# Altium PCB as_x31.PcbDoc (part 1 of 8) (continued)
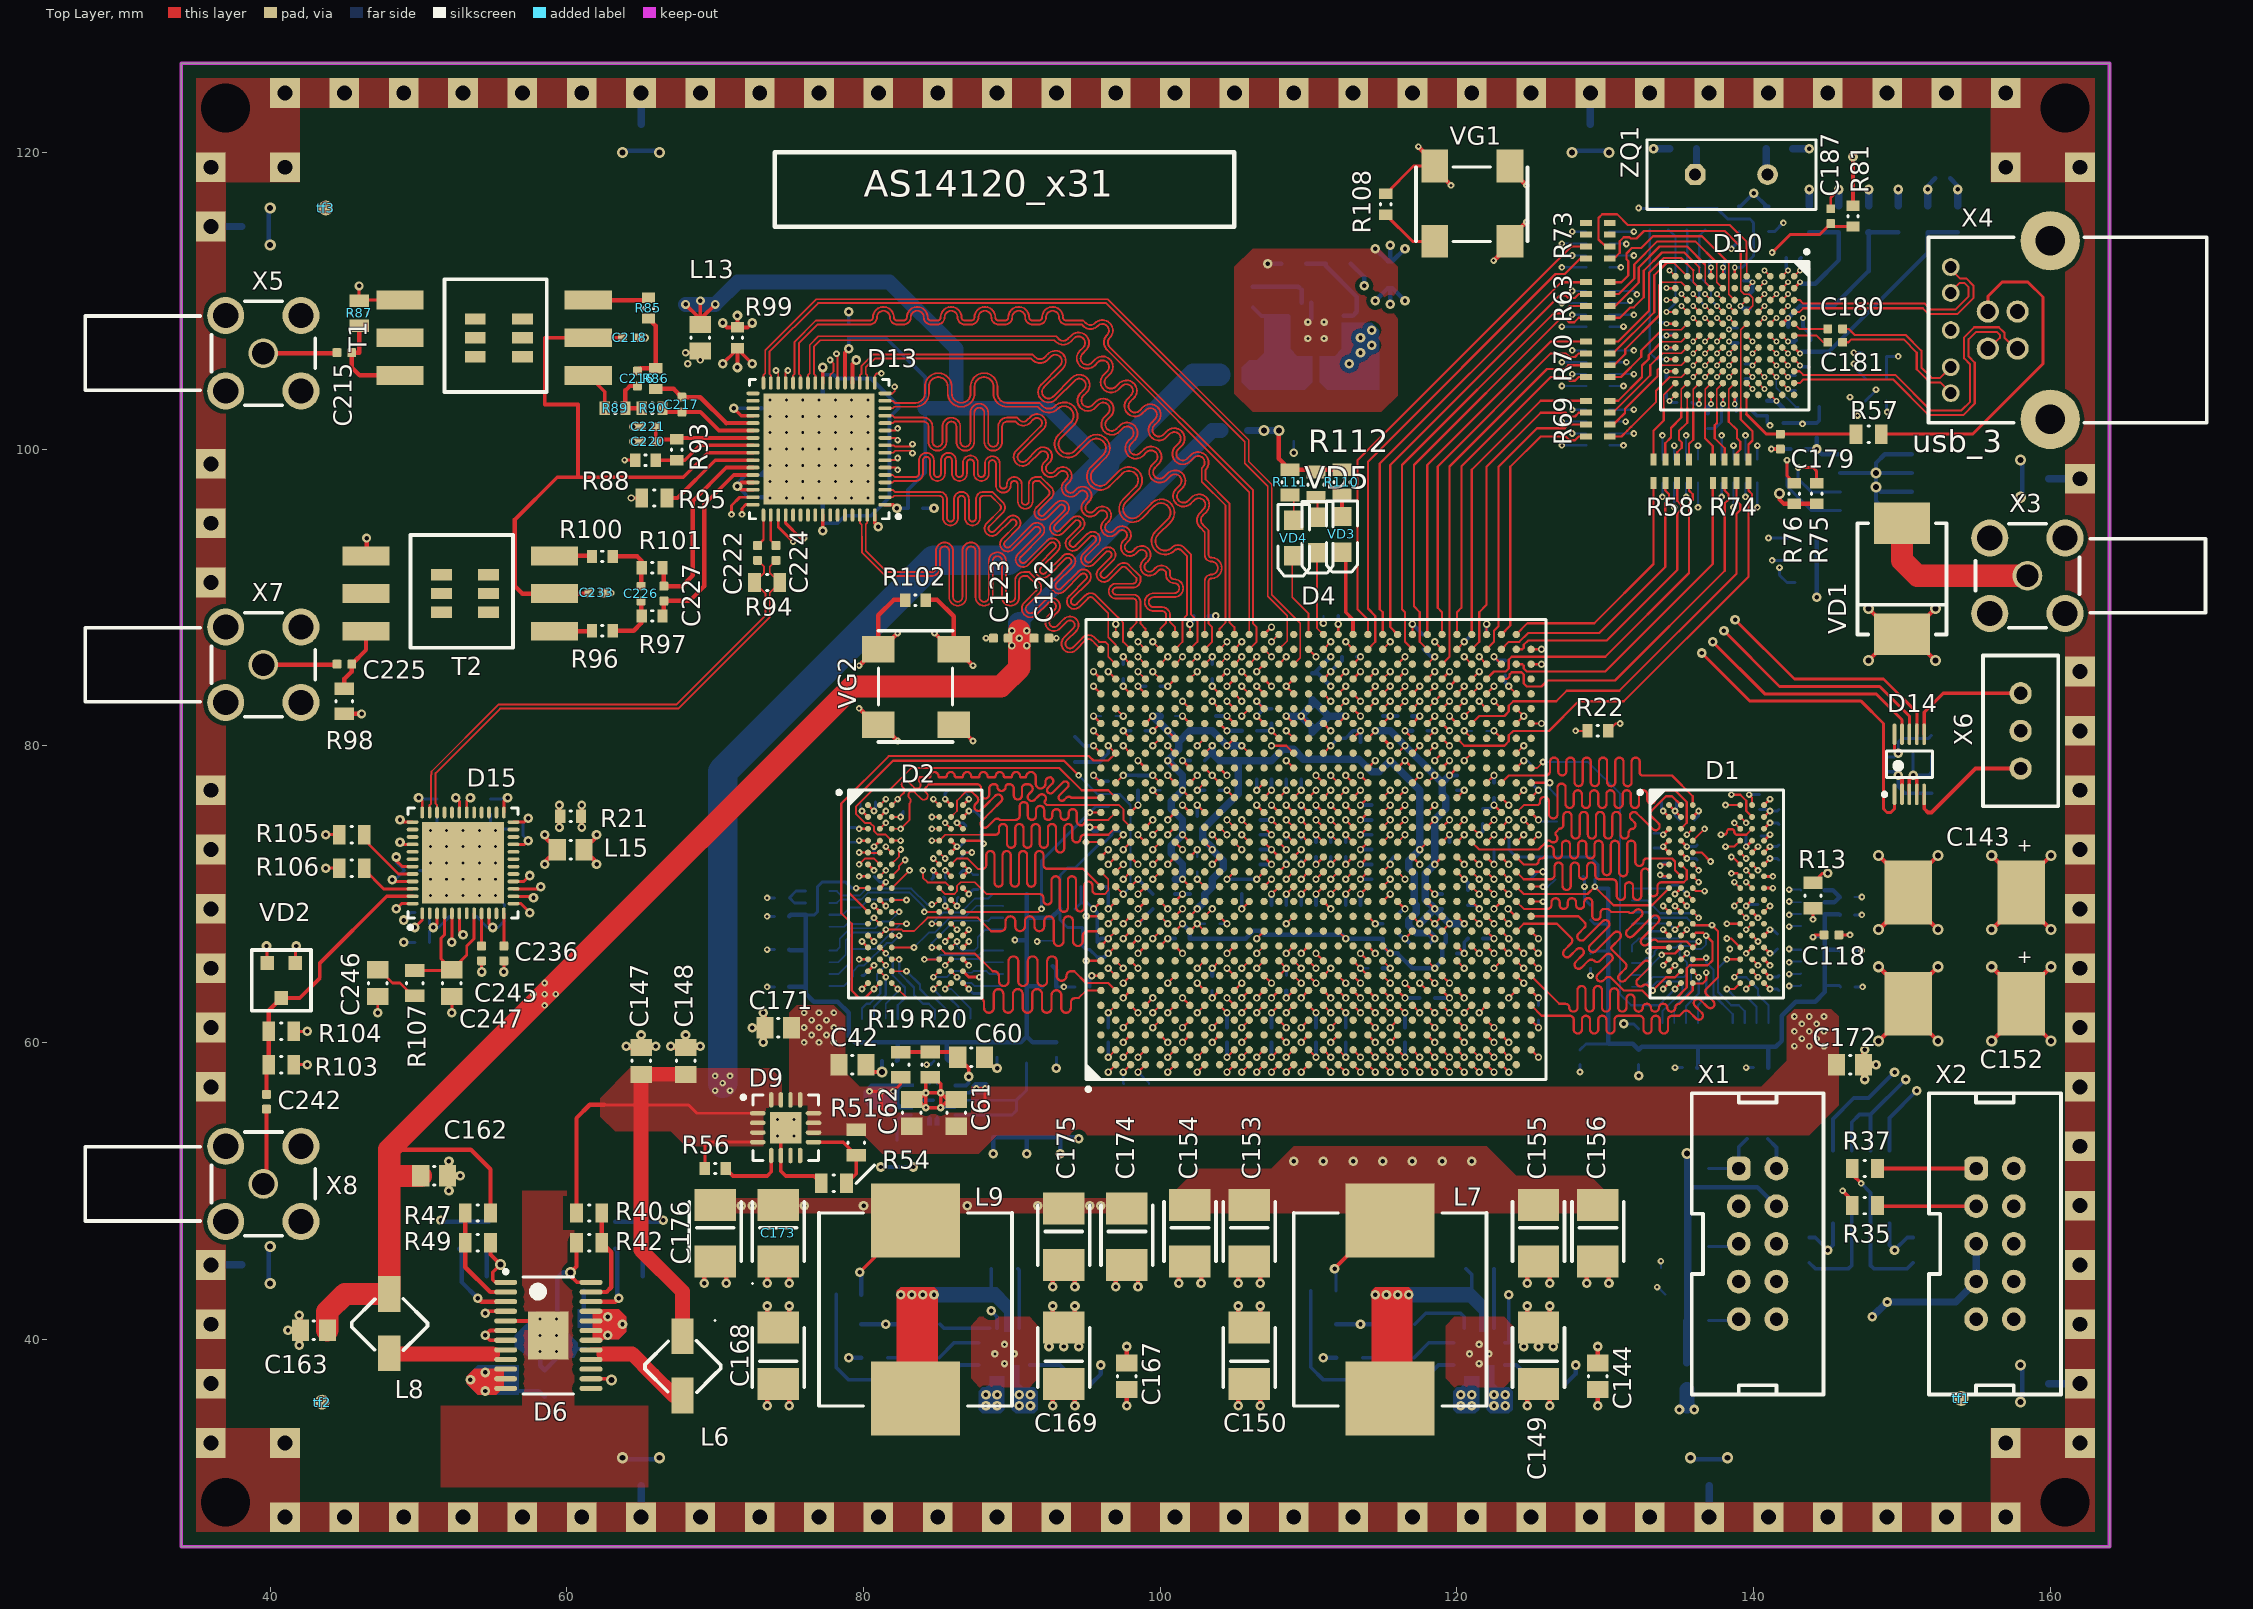
[diagram p0: Top Layer view]
## Classes and differential pairs (continued)
pad class bga_08mm: D1-A1 D1-A2 D1-A3 D1-A7 D1-A8 D1-A9 D1-B1 D1-B2 D1-B3 D1-B7 D1-B8 D1-B9 D1-C1 D1-C2 D1-C3 D1-C7 D1-C8 D1-C9 D1-D1 D1-D2 D1-D3 D1-D7 D1-D8 D1-D9 D1-E1 D1-E2 D1-E3 D1-E7 D1-E8 D1-E9 D1-F1 D1-F2 D1-F3 D1-F7 D1-F8 D1-F9 D1-G1 D1-G2 D1-G3 D1-G7 D1-G8 D1-G9 D1-H1 D1-H2 D1-H3 D1-H7 D1-H8 D1-H9 D1-J1 D1-J2 D1-J3 D1-J7 D1-J8 D1-J9 D1-K1 D1-K2 D1-K3 D1-K7 D1-K8 D1-K9 D1-L1 D1-L2 D1-L3 D1-L7 D1-L8 D1-L9 D1-M1 D1-M2 D1-M3 D1-M7 D1-M8 D1-M9 D1-N1 D1-N2 D1-N3 D1-N7 D1-N8 D1-N9 D1-P1 D1-P2 D1-P3 D1-P7 D1-P8 D1-P9 D1-R1 D1-R2 D1-R3 D1-R7 D1-R8 D1-R9 D1-T1 D1-T2 D1-T3 D1-T7 D1-T8 D1-T9 D10-A1 D10-A2 D10-A3 D10-A4 D10-A5 D10-A6 D10-A7 D10-A8 D10-A9 D10-A10 D10-A11 D10-B1 D10-B2 D10-B3 D10-B4 D10-B5 D10-B6 D10-B7 D10-B8 D10-B9 D10-B10 D10-B11 D10-C1 D10-C2 D10-C3 D10-C4 D10-C5 D10-C6 D10-C7 D10-C8 D10-C9 D10-C10 D10-C11 D10-D1 D10-D2 D10-D3 D10-D4 D10-D5 D10-D6 D10-D7 D10-D8 D10-D9 D10-D10 D10-D11 D10-E1 D10-E2 D10-E3 D10-E4 D10-E5 D10-E6 D10-E7 D10-E8 D10-E9 D10-E10 D10-E11 D10-F1 D10-F2 D10-F3 D10-F4 D10-F5 D10-F6 D10-F7 D10-F8 D10-F9 D10-F10 D10-F11 D10-G1 D10-G2 D10-G3 D10-G4 D10-G5 D10-G6 D10-G7 D10-G8 D10-G9 D10-G10 D10-G11 D10-H1 D10-H2 D10-H3 D10-H4 D10-H5 D10-H6 D10-H7 D10-H8 D10-H9 D10-H10 D10-H11 D10-J1 D10-J2 D10-J3 D10-J4 D10-J5 D10-J6 D10-J7 D10-J8 D10-J9 D10-J10 D10-J11 D10-K1 D10-K2 D10-K3 D10-K4 D10-K5 D10-K6 D10-K7 D10-K8 D10-K9 D10-K10 D10-K11 D10-L1 D10-L2 D10-L3 D10-L4 D10-L5 D10-L6 D10-L7 D10-L8 D10-L9 D10-L10 D10-L11
component class as14120_x31_adc: C215 C217 C219 C220 C221 C222 C223 C224 C225 C226 C227 C228 C229 C230 C231 C232 C233 C234 C235 C236 C237 C238 C239 C240 C241 C242 C243 C244 C245 C246 C247 D13 D14 D15 L13 L14 L15 L16 R21 R85 R88 R89 R90 R91 R92 R93 R94 R95 R96 R97 R98 R99 R100 R101 R102 R103 R104 R105 R106 R107 T1 T2 VD2 VG2 X5 X6 X7 X8
component class as14120_x31_ddr: C1 C2 C3 C4 C5 C6 C7 C8 C9 C10 C11 C12 C13 C14 C15 C16 C17 C18 C19 C20 C21 C22 C23 C24 C25 C26 C27 C28 C29 C30 C31 C32 C33 C34 C35 C36 C37 C38 C39 C40 C41 C42 C43 C44 C45 C46 C47 C48 C49 C50 C51 C52 C53 C54 C55 C56 C57 C58 C59 C60 C61 C62 C248 C249 D1 D2 D3 L1 L2 R1 R2 R3 R4 R5 R6 R7 R8 R9 R10 R11 R12 R13 R14 R15 R16 R17 R18 R19 R20
component class as14120_x31_fpga_cypress: R22
component class as14120_x31_fpga_ddr: R23 R24
component class as14120_x31_fpga_power_conf: C63 C64 C65 C66 C67 C68 C69 C70 C71 C72 C73 C74 C75 C76 C77 C78 C79 C80 C81 C82 C83 C84 C85 C86 C87 C88 C89 C90 C91 C92 C93 C94 C95 C96 C97 C98 C99 C100 C101 C102 C103 C104 C105 C106 C107 C108 C109 C110 C111 C112 C113 C114 C115 C116 C117 C118 C119 C120 C121 C122 C123 C124 C125 C126 C127 C128 C129 C130 C131 C132 C133 C134 C135 C136 C137 C138 C139 C140 C141 C142 C250 C251 C252 C253 L3 L4 L5 R25 R26 R27 R28 R29 R30 R31 R32 R33 X1
component class as14120_x31_fpga_ttl: D4 D5 R34 R35 R36 R37 R38 R39 X2
component class as14120_x31_power: C143 C144 C145 C146 C147 C148 C149 C150 C151 C152 C153 C154 C155 C156 C157 C158 C159 C160 C161 C163 C164 C165 C166 C167 C168 C169 C170 C171 C172 C173 C174 C175 C176 C177 C178 D6 D7 D8 D9 L6 L7 L8 L9 L17 L18 L19 L20 L21 L22 L23 L24 R40 R41 R42 R43 R44 R45 R46 R48 R50 R51 R52 R54 R55 R56 VD1 X3
component class as14120_x31_usb: C179 C180 C181 C182 C183 C184 C185 C186 C187 C188 C189 C190 C191 C192 C193 C194 C195 C196 C197 C198 C199 C200 C201 C202 C203 C204 C205 C206 C207 C208 C209 C210 C211 C212 C213 C214 D10 D11 D12 L10 L11 L12 L25 L26 R57 R58 R59 R60 R61 R62 R63 R64 R65 R66 R67 R68 R69 R70 R71 R72 R73 R74 R75 R76 R77 R78 R79 R80 R81 R82 R83 R84 R108 R109 VG1 X4 ZQ1
differential pair class adc: D_ADC_D0_ D_ADC_D1_ D_ADC_D2_ D_ADC_D3_ D_ADC_D4_ D_ADC_D5_ D_ADC_D6_ D_ADC_D7_ D_ADC_D8_ D_ADC_D9_ D_ADC_D10_ D_ADC_D11_ D_ADC_D12_ D_ADC_D13_ D_ADC_DCO_
net class power: 0V 0VA 12V AVDD SHIELD U3RXVDDQ U3TXVDDQ V0P75D V1P1D V1P2D V1P5D V1P8A V1P8D V1P8DVDD V2P5D V3P3D VCC_AUX VCC_PLL VCCPGM VREF VREFDDR0 VREFDDR1
component class "Room Definition 1": D4
component class "Room Definition 2": D10
net class ddr1_a_c: DDR1_A0 DDR1_A1 DDR1_A2 DDR1_A3 DDR1_A4 DDR1_A5 DDR1_A6 DDR1_A7 DDR1_A8 DDR1_A9 DDR1_A10 DDR1_A11 DDR1_A12 DDR1_A13 DDR1_A14 DDR1_BA0 DDR1_BA1 DDR1_BA2 DDR1_CAS DDR1_CK_N DDR1_CK_P DDR1_CS DDR1_RAS DDR1_WE
net class ddr1_d: DDR1_DM0 DDR1_DM1 DDR1_DQ0 DDR1_DQ1 DDR1_DQ2 DDR1_DQ3 DDR1_DQ4 DDR1_DQ5 DDR1_DQ6 DDR1_DQ7 DDR1_DQ8 DDR1_DQ9 DDR1_DQ10 DDR1_DQ11 DDR1_DQ12 DDR1_DQ13 DDR1_DQ14 DDR1_DQ15 DDR1_DQS0_N DDR1_DQS0_P DDR1_DQS1_N DDR1_DQS1_P
net class ad9517: AD97_CS AD9517_FPGA_CLK AD9517_REF_SEL AD9517_REFMON AD9517_SCLK AD9517_SDIO AD9517_SDO AD9517_STATUS
net class usb_drv_bus: CTRL0 CTRL1 CTRL2 CTRL3 CTRL4 CTRL5 CTRL6 CTRL7 CTRL8 CTRL9 CTRL10 CTRL11 CTRL12 D0 D1 D2 D3 D4 D5 D6 D7 D8 D9 D10 D11 D12 D13 D14 D15 D16 D17 D18 D19 D20 D21 D22 D23 D24 D25 D26 D27 D28 D29 D30 D31 PCLK
net class FPGA_conf: FPGA_CONF_DONE FPGA_DATA0 FPGA_DCLK FPGA_NCONFIG FPGA_NSTATUS
net class ad5322: AD5322_DIN AD5322_LDAC AD5322_SCLK AD5322_SYNC
net class ttl_: TTL_RX TTL_TX TTL_TX_EN
net class JTAG: TCK TDI TDO TMS
differential pair ADC_CLK_: +ADC_CLK_P -ADC_CLK_N
differential pair SS_RX: +SS_RX_P -SS_RX_N
differential pair SS_TX: +SS_TX_P -SS_TX_N
differential pair USB: +USB_P -USB_N
differential pair D_DDR1_DQS1_: +DDR1_DQS1_P -DDR1_DQS1_N
differential pair D_DDR1_DQS0_: +DDR1_DQS0_P -DDR1_DQS0_N
differential pair D_DDR1_CK_: +DDR1_CK_P -DDR1_CK_N
differential pair D_DDR0_DQS1_: +DDR0_DQS1_P -DDR0_DQS1_N
differential pair D_DDR0_DQS0_: +DDR0_DQS0_P -DDR0_DQS0_N
differential pair D_DDR0_CK_: +DDR0_CK_P -DDR0_CK_N
differential pair D_ADC_DCO_: +ADC_DCO_P -ADC_DCO_N
differential pair D_ADC_D13_: +ADC_D13_P -ADC_D13_N
differential pair D_ADC_D12_: +ADC_D12_P -ADC_D12_N
differential pair D_ADC_D11_: +ADC_D11_P -ADC_D11_N
differential pair D_ADC_D10_: +ADC_D10_P -ADC_D10_N
differential pair D_ADC_D9_: +ADC_D9_P -ADC_D9_N
differential pair D_ADC_D8_: +ADC_D8_P -ADC_D8_N
differential pair D_ADC_D7_: +ADC_D7_P -ADC_D7_N
differential pair D_ADC_D6_: +ADC_D6_P -ADC_D6_N
differential pair D_ADC_D5_: +ADC_D5_P -ADC_D5_N
differential pair D_ADC_D4_: +ADC_D4_P -ADC_D4_N
differential pair D_ADC_D3_: +ADC_D3_P -ADC_D3_N
differential pair D_ADC_D2_: +ADC_D2_P -ADC_D2_N
differential pair D_ADC_D1_: +ADC_D1_P -ADC_D1_N
differential pair D_ADC_D0_: +ADC_D0_P -ADC_D0_N

## Components (designator, comment, footprint, x,y, rotation, side; value= is the part's Value field where it differs from the comment)
bf1 "" fiducial_1/2 154,36 r180 bottom
bf2 "" fiducial_1/2 43.5,35.75 r180 bottom
bf3 "" fiducial_1/2 43.75,116.25 r180 bottom
C1 "CAP 1uF 10V 0402(1005)" CAPC0402(1005)60_M 146.3,69.8 r180 bottom
C2 "CAP 1uF 10V 0402(1005)" CAPC0402(1005)60_M 74.5,69.75 r0 bottom
C3 "CAP 1uF 10V 0402(1005)" CAPC0402(1005)60_M 146.3,68.6 r0 bottom
C4 "CAP 1uF 10V 0402(1005)" CAPC0402(1005)60_M 74.5,68.5 r180 bottom
C5 "CAP 1uF 10V 0402(1005)" CAPC0402(1005)60_M 146.3,66.2 r0 bottom
C6 "CAP 1uF 10V 0402(1005)" CAPC0402(1005)60_M 74.5,66.25 r180 bottom
C7 "CAP 1uF 10V 0402(1005)" CAPC0402(1005)60_M 140.5,58.3 r180 bottom
C8 "CAP 1uF 10V 0402(1005)" CAPC0402(1005)60_M 81.75,58.75 r180 bottom
C9 "CAP 1uF 10V 0402(1005)" CAPC0402(1005)60_M 135.7,58.3 r180 bottom
C10 "CAP 1uF 10V 0402(1005)" CAPC0402(1005)60_M 85.25,58.75 r180 bottom
C11 "CAP 1uF 10V 0402(1005)" CAPC0402(1005)60_M 129,71.2 r180 bottom
C12 "CAP 1uF 10V 0402(1005)" CAPC0402(1005)60_M 92.5,63.75 r0 bottom
C13 "CAP 1uF 10V 0402(1005)" CAPC0402(1005)60_M 129,65.5 r270 bottom
C14 "CAP 1uF 10V 0402(1005)" CAPC0402(1005)60_M 93.75,69 r0 bottom
C15 "CAP 1uF 10V 0402(1005)" CAPC0402(1005)60_M 128.3,59 r90 bottom
C16 "CAP 1uF 10V 0402(1005)" CAPC0402(1005)60_M 146.35,63.75 r180 bottom
C17 "CAP 1uF 10V 0402(1005)" CAPC0402(1005)60_M 74.5,63.75 r0 bottom
C18 "CAP 1uF 10V 0402(1005)" CAPC0402(1005)60_M 93,59.5 r90 bottom
C19 "CAP 1uF 10V 0402(1005)" CAPC0402(1005)60_M 123,73 r0 bottom
C20 "CAP 1uF 10V 0402(1005)" CAPC0402(1005)60_M 132.25,59 r90 bottom
C21 "CAP 1uF 10V 0402(1005)" CAPC0402(1005)60_M 95.75,66.25 r270 bottom
C22 "CAP 1uF 10V 0402(1005)" CAPC0402(1005)60_M 89,59.5 r90 bottom
C23 "CAP 1uF 10V 0402(1005)" CAPC0402(1005)60_M 134.3,71.6 r90 bottom
C24 "CAP 1uF 10V 0402(1005)" CAPC0402(1005)60_M 141.6,70.8 r270 bottom
C25 "CAP 1uF 10V 0402(1005)" CAPC0402(1005)60_M 141.7,72.8 r90 bottom
C26 "CAP 1uF 10V 0402(1005)" CAPC0402(1005)60_M 140,73.9 r0 bottom
C27 "CAP 1uF 10V 0402(1005)" CAPC0402(1005)60_M 141.7,75.2 r270 bottom
C28 "CAP 1uF 10V 0402(1005)" CAPC0402(1005)60_M 136.2,72.8 r90 bottom
C29 "CAP 1uF 10V 0402(1005)" CAPC0402(1005)60_M 133.3,73.6 r90 bottom
C30 "CAP 1uF 10V 0402(1005)" CAPC0402(1005)60_M 140.4,76.2 r90 bottom
C31 "CAP 1uF 10V 0402(1005)" CAPC0402(1005)60_M 82.2,75.6 r180 bottom
C32 "CAP 1uF 10V 0402(1005)" CAPC0402(1005)60_M 79.1,74.1 r90 bottom
C33 "CAP 1uF 10V 0402(1005)" CAPC0402(1005)60_M 80.3,76.2 r0 bottom
C34 "CAP 1uF 10V 0402(1005)" CAPC0402(1005)60_M 80.2,71.2 r0 bottom
C35 "CAP 1uF 10V 0402(1005)" CAPC0402(1005)60_M 87.7,70.8 r270 bottom
C36 "CAP 1uF 10V 0402(1005)" CAPC0402(1005)60_M 85.9,69.8 r180 bottom
C37 "CAP 1uF 10V 0402(1005)" CAPC0402(1005)60_M 85.1,71 r180 bottom
C38 "CAP 1uF 10V 0402(1005)" CAPC0402(1005)60_M 86.9,74.1 r90 bottom
C39 "CAP_0805" CAPC0805(2012)100_N 88.75,54.5 r90 bottom
C40 "CAP_0805" CAPC0805(2012)100_N 91,54.5 r90 bottom
C41 "CAP_0805" CAPC0805(2012)100_N 93.25,54.5 r90 bottom
C42 "CAP_0805" CAPC0805(2012)100_N 79.25,58.5 r180 top
C43 "CAP_0805" CAPC0805(2012)100_N 82.25,52.5 r90 bottom
C44 "CAP 1uF 10V 0402(1005)" CAPC0402(1005)60_M 139,71.7 r180 bottom
C45 "CAP 1uF 10V 0402(1005)" CAPC0402(1005)60_M 134.4,65 r0 bottom
C46 "CAP 1uF 10V 0402(1005)" CAPC0402(1005)60_M 140.3,68.8 r270 bottom
C47 "CAP 1uF 10V 0402(1005)" CAPC0402(1005)60_M 135.5,75 r180 bottom
C48 "CAP 1uF 10V 0402(1005)" CAPC0402(1005)60_M 135.2,69.3 r180 bottom
C49 "CAP 1uF 10V 0402(1005)" CAPC0402(1005)60_M 132.8,67 r270 bottom
C50 "CAP 1uF 10V 0402(1005)" CAPC0402(1005)60_M 141.6,66.8 r270 bottom
C51 "CAP 1uF 10V 0402(1005)" CAPC0402(1005)60_M 141.7,64 r90 bottom
C52 "CAP 1uF 10V 0402(1005)" CAPC0402(1005)60_M 80.2,72.7 r0 bottom
C53 "CAP 1uF 10V 0402(1005)" CAPC0402(1005)60_M 86.5,71.9 r90 bottom
C54 "CAP 1uF 10V 0402(1005)" CAPC0402(1005)60_M 87.9,74.7 r270 bottom
C55 "CAP 1uF 10V 0402(1005)" CAPC0402(1005)60_M 87.1,67.2 r270 bottom
C56 "CAP 1uF 10V 0402(1005)" CAPC0402(1005)60_M 81.2,69.1 r180 bottom
C57 "CAP 1uF 10V 0402(1005)" CAPC0402(1005)60_M 79.7,66.3 r90 bottom
C58 "CAP 1uF 10V 0402(1005)" CAPC0402(1005)60_M 79.9,64 r90 bottom
C59 "CAP 1uF 10V 0402(1005)" CAPC0402(1005)60_M 87.9,63.8 r90 bottom
C60 "CAP_0805" CAPC0805(2012)100_N 87.25,59 r180 top
C61 "CAP_0805" CAPC0805(2012)100_N 86.25,55.25 r270 top
C62 "CAP_0805" CAPC0805(2012)100_N 83.25,55.25 r270 top
C63 "CAP 1uF 10V 0402(1005)" CAPC0402(1005)60_M 104.5,60.5 r90 bottom
C64 "CAP 1uF 10V 0402(1005)" CAPC0402(1005)60_M 110.5,60.5 r90 bottom
C65 "CAP 1uF 10V 0402(1005)" CAPC0402(1005)60_M 107,77.75 r0 bottom
C66 "CAP 1uF 10V 0402(1005)" CAPC0402(1005)60_M 108,69.25 r0 bottom
C67 "CAP 1uF 10V 0402(1005)" CAPC0402(1005)60_M 110,69.25 r0 bottom
C68 "CAP 1uF 10V 0402(1005)" CAPC0402(1005)60_M 113,69.25 r180 bottom
C69 "CAP 1uF 10V 0402(1005)" CAPC0402(1005)60_M 110.5,73 r270 bottom
C70 "CAP 1uF 10V 0402(1005)" CAPC0402(1005)60_M 108.5,64 r270 bottom
C71 "CAP 1uF 10V 0402(1005)" CAPC0402(1005)60_M 103.5,64 r90 bottom
C72 "CAP 1uF 10V 0402(1005)" CAPC0402(1005)60_M 117.5,81 r180 bottom
C73 "CAP 1uF 10V 0402(1005)" CAPC0402(1005)60_M 106,81 r180 bottom
C74 "CAP 1uF 10V 0402(1005)" CAPC0402(1005)60_M 114.5,65 r0 bottom
C75 "CAP 1uF 10V 0402(1005)" CAPC0402(1005)60_M 107.5,60.5 r90 bottom
C76 "CAP 1uF 10V 0402(1005)" CAPC0402(1005)60_M 116.5,60.5 r90 bottom
C77 "CAP 1uF 10V 0402(1005)" CAPC0402(1005)60_M 109,77.75 r0 bottom
C78 "CAP 1uF 10V 0402(1005)" CAPC0402(1005)60_M 106.75,72.5 r270 bottom
C79 "CAP 1uF 10V 0402(1005)" CAPC0402(1005)60_M 110,75.75 r180 bottom
C80 "CAP 1uF 10V 0402(1005)" CAPC0402(1005)60_M 114.25,71.5 r270 bottom
C81 "CAP 1uF 10V 0402(1005)" CAPC0402(1005)60_M 111.5,73 r90 bottom
C82 "CAP 1uF 10V 0402(1005)" CAPC0402(1005)60_M 102.5,70 r0 bottom
C83 "CAP 1uF 10V 0402(1005)" CAPC0402(1005)60_M 117.5,66.5 r0 bottom
C84 "CAP 1uF 10V 0402(1005)" CAPC0402(1005)60_M 116.25,72.5 r0 bottom
C85 "CAP 1uF 10V 0402(1005)" CAPC0402(1005)60_M 113.5,79.75 r270 bottom
C86 "CAP 1uF 10V 0402(1005)" CAPC0402(1005)60_M 102.5,79 r0 bottom
C87 "CAP 1uF 10V 0402(1005)" CAPC0402(1005)60_M 112.5,73 r270 bottom
C88 "CAP 1uF 10V 0402(1005)" CAPC0402(1005)60_M 114.25,73.5 r270 bottom
C89 "CAP 1uF 10V 0402(1005)" CAPC0402(1005)60_M 106.75,74.5 r270 bottom
C90 "CAP 1uF 10V 0402(1005)" CAPC0402(1005)60_M 114.25,75.5 r270 bottom
C91 "CAP 1uF 10V 0402(1005)" CAPC0402(1005)60_M 109,73.75 r0 bottom
C92 "CAP 1uF 10V 0402(1005)" CAPC0402(1005)60_M 109,72.25 r180 bottom
C93 "CAP 1uF 10V 0402(1005)" CAPC0402(1005)60_M 118,63 r0 bottom
C94 "CAP 1uF 10V 0402(1005)" CAPC0402(1005)60_M 112.5,60.5 r90 bottom
C95 "CAP 1uF 10V 0402(1005)" CAPC0402(1005)60_M 101.5,67 r0 bottom
C96 "CAP 1uF 10V 0402(1005)" CAPC0402(1005)60_M 116.5,82 r0 bottom
C97 "CAP 1uF 10V 0402(1005)" CAPC0402(1005)60_M 117.75,87 r270 bottom
C98 "CAP 1uF 10V 0402(1005)" CAPC0402(1005)60_M 112.5,81 r90 bottom
C99 "CAP 1uF 10V 0402(1005)" CAPC0402(1005)60_M 107.5,82 r90 bottom
C100 "CAP 1uF 10V 0402(1005)" CAPC0402(1005)60_M 102.75,88.75 r180 bottom
C101 "CAP 1uF 10V 0402(1005)" CAPC0402(1005)60_M 111.5,88.75 r0 bottom
C102 "CAP 1uF 10V 0402(1005)" CAPC0402(1005)60_M 118,83.25 r180 bottom
C103 "CAP 1uF 10V 0402(1005)" CAPC0402(1005)60_M 101,70.5 r90 bottom
C104 "CAP 1uF 10V 0402(1005)" CAPC0402(1005)60_M 121.5,87.5 r0 bottom
C105 "CAP 1uF 10V 0402(1005)" CAPC0402(1005)60_M 115,81.5 r270 bottom
C106 "CAP 1uF 10V 0402(1005)" CAPC0402(1005)60_M 120,77.5 r90 bottom
C107 "CAP 1uF 10V 0402(1005)" CAPC0402(1005)60_M 119,73.5 r180 bottom
C108 "CAP 1uF 10V 0402(1005)" CAPC0402(1005)60_M 119,69.5 r270 bottom
C109 "CAP 1uF 10V 0402(1005)" CAPC0402(1005)60_M 119.5,66 r180 bottom
C110 "CAP 1uF 10V 0402(1005)" CAPC0402(1005)60_M 115,67.5 r270 bottom
C111 "CAP 1uF 10V 0402(1005)" CAPC0402(1005)60_M 120.75,69.75 r90 bottom
C112 "CAP 1uF 10V 0402(1005)" CAPC0402(1005)60_M 121.75,75.25 r270 bottom
C113 "CAP 1uF 10V 0402(1005)" CAPC0402(1005)60_M 121.25,67 r0 bottom
C114 "CAP 1uF 10V 0402(1005)" CAPC0402(1005)60_M 125.5,62 r270 bottom
C115 "CAP 1uF 10V 0402(1005)" CAPC0402(1005)60_M 122.5,77 r90 bottom
C116 "CAP 1uF 10V 0402(1005)" CAPC0402(1005)60_M 121.5,81 r0 bottom
C117 "CAP 1uF 10V 0402(1005)" CAPC0402(1005)60_M 123.25,85.25 r270 bottom
C118 "CAP 1uF 10V 0402(1005)" CAPC0402(1005)60_M 145.25,67.25 r180 top
C119 "CAP 1uF 10V 0402(1005)" CAPC0402(1005)60_M 129,68.75 r270 bottom
C120 "CAP 1uF 10V 0402(1005)" CAPC0402(1005)60_M 96.25,74.25 r0 bottom
C121 "CAP 1uF 10V 0402(1005)" CAPC0402(1005)60_M 95.25,67.75 r180 bottom
C122 "CAP 1uF 10V 0402(1005)" CAPC0402(1005)60_M 92,87.25 r180 top
C123 "CAP 1uF 10V 0402(1005)" CAPC0402(1005)60_M 89.25,87.25 r0 top
C124 "CAP 1uF 10V 0402(1005)" CAPC0402(1005)60_M 96.5,60.5 r90 bottom
C125 "CAP 1uF 10V 0402(1005)" CAPC0402(1005)60_M 98.5,77.5 r270 bottom
C126 "CAP 1uF 10V 0402(1005)" CAPC0402(1005)60_M 98.5,81 r0 bottom
C127 "CAP 1uF 10V 0402(1005)" CAPC0402(1005)60_M 99.5,69.5 r270 bottom
C128 "CAP 1uF 10V 0402(1005)" CAPC0402(1005)60_M 100.5,63 r90 bottom
C129 "CAP 1uF 10V 0402(1005)" CAPC0402(1005)60_M 105.5,70.5 r270 bottom
C130 "CAP 1uF 10V 0402(1005)" CAPC0402(1005)60_M 103.5,77 r0 bottom
C131 "CAP 1uF 10V 0402(1005)" CAPC0402(1005)60_M 100.5,77 r0 bottom
C132 "CAP 1uF 10V 0402(1005)" CAPC0402(1005)60_M 102,75.25 r180 bottom
C133 "CAP 1uF 10V 0402(1005)" CAPC0402(1005)60_M 103.75,81.5 r270 bottom
C134 "CAP 1uF 10V 0402(1005)" CAPC0402(1005)60_M 112.75,86 r180 bottom
C135 "CAP 1uF 10V 0402(1005)" CAPC0402(1005)60_M 102.5,72 r270 bottom
C136 "CAP 1uF 10V 0402(1005)" CAPC0402(1005)60_M 96.5,82 r0 bottom
C137 "CAP 1uF 10V 0402(1005)" CAPC0402(1005)60_M 103.5,68 r180 bottom
C138 "CAP 1uF 10V 0402(1005)" CAPC0402(1005)60_M 94.75,63.75 r0 bottom
C139 "CAP 1uF 10V 0402(1005)" CAPC0402(1005)60_M 100.5,82 r180 bottom
C140 "CAP 1uF 10V 0402(1005)" CAPC0402(1005)60_M 103.5,85 r270 bottom
C141 "CAP 1uF 10V 0402(1005)" CAPC0402(1005)60_M 99.5,84 r0 bottom
C142 "CAP 1uF 10V 0402(1005)" CAPC0402(1005)60_M 97.5,85 r90 bottom
C143 "AVX_D" AVX_D 158.05,70.1 r180 top
C144 "CAP_0805" CAPC0805(2012)100_N 129.5,37.5 r90 top
C145 "CAP_0805" CAPC0805(2012)100_N 58.5,37 r270 bottom
C146 "CAP_0805" CAPC0805(2012)100_N 60.25,43.25 r0 bottom
C147 "CAP_0805" CAPC0805(2012)100_N 65,58.75 r270 top
C148 "CAP_0805" CAPC0805(2012)100_N 68,58.75 r270 top
C149 "avx_b" AVX_B 125.5,41 r270 top
C150 "avx_b" AVX_B 106,41 r270 top
C151 "CAP_0805" CAPC0805(2012)100_N 121.5,44.75 r180 bottom
C152 "AVX_D" AVX_D 158.05,62.6 r180 top
C153 "avx_b" AVX_B 106,45 r90 top
C154 "avx_b" AVX_B 102,45 r90 top
C155 "avx_b" AVX_B 125.5,45 r90 top
C156 "avx_b" AVX_B 129.5,45 r90 top
C157 "CAP_0805" CAPC0805(2012)100_N 65.25,47 r270 bottom
C158 "CAP_0805" CAPC0805(2012)100_N 63.25,47 r270 bottom
C159 "CAP_0805" CAPC0805(2012)100_N 61.25,40.25 r90 bottom
C160 "CAP_0805" CAPC0805(2012)100_N 56.25,39 r270 bottom
C161 "CAP_0805" CAPC0805(2012)100_N 116.25,41 r0 bottom
C162 "CAP_0805" CAPC0805(2012)100_N 51.05,51 r180 top
C163 "CAP_0805" CAPC0805(2012)100_N 42.95,40.6 r0 top